# KiCad board flex.kicad_pcb (continued)
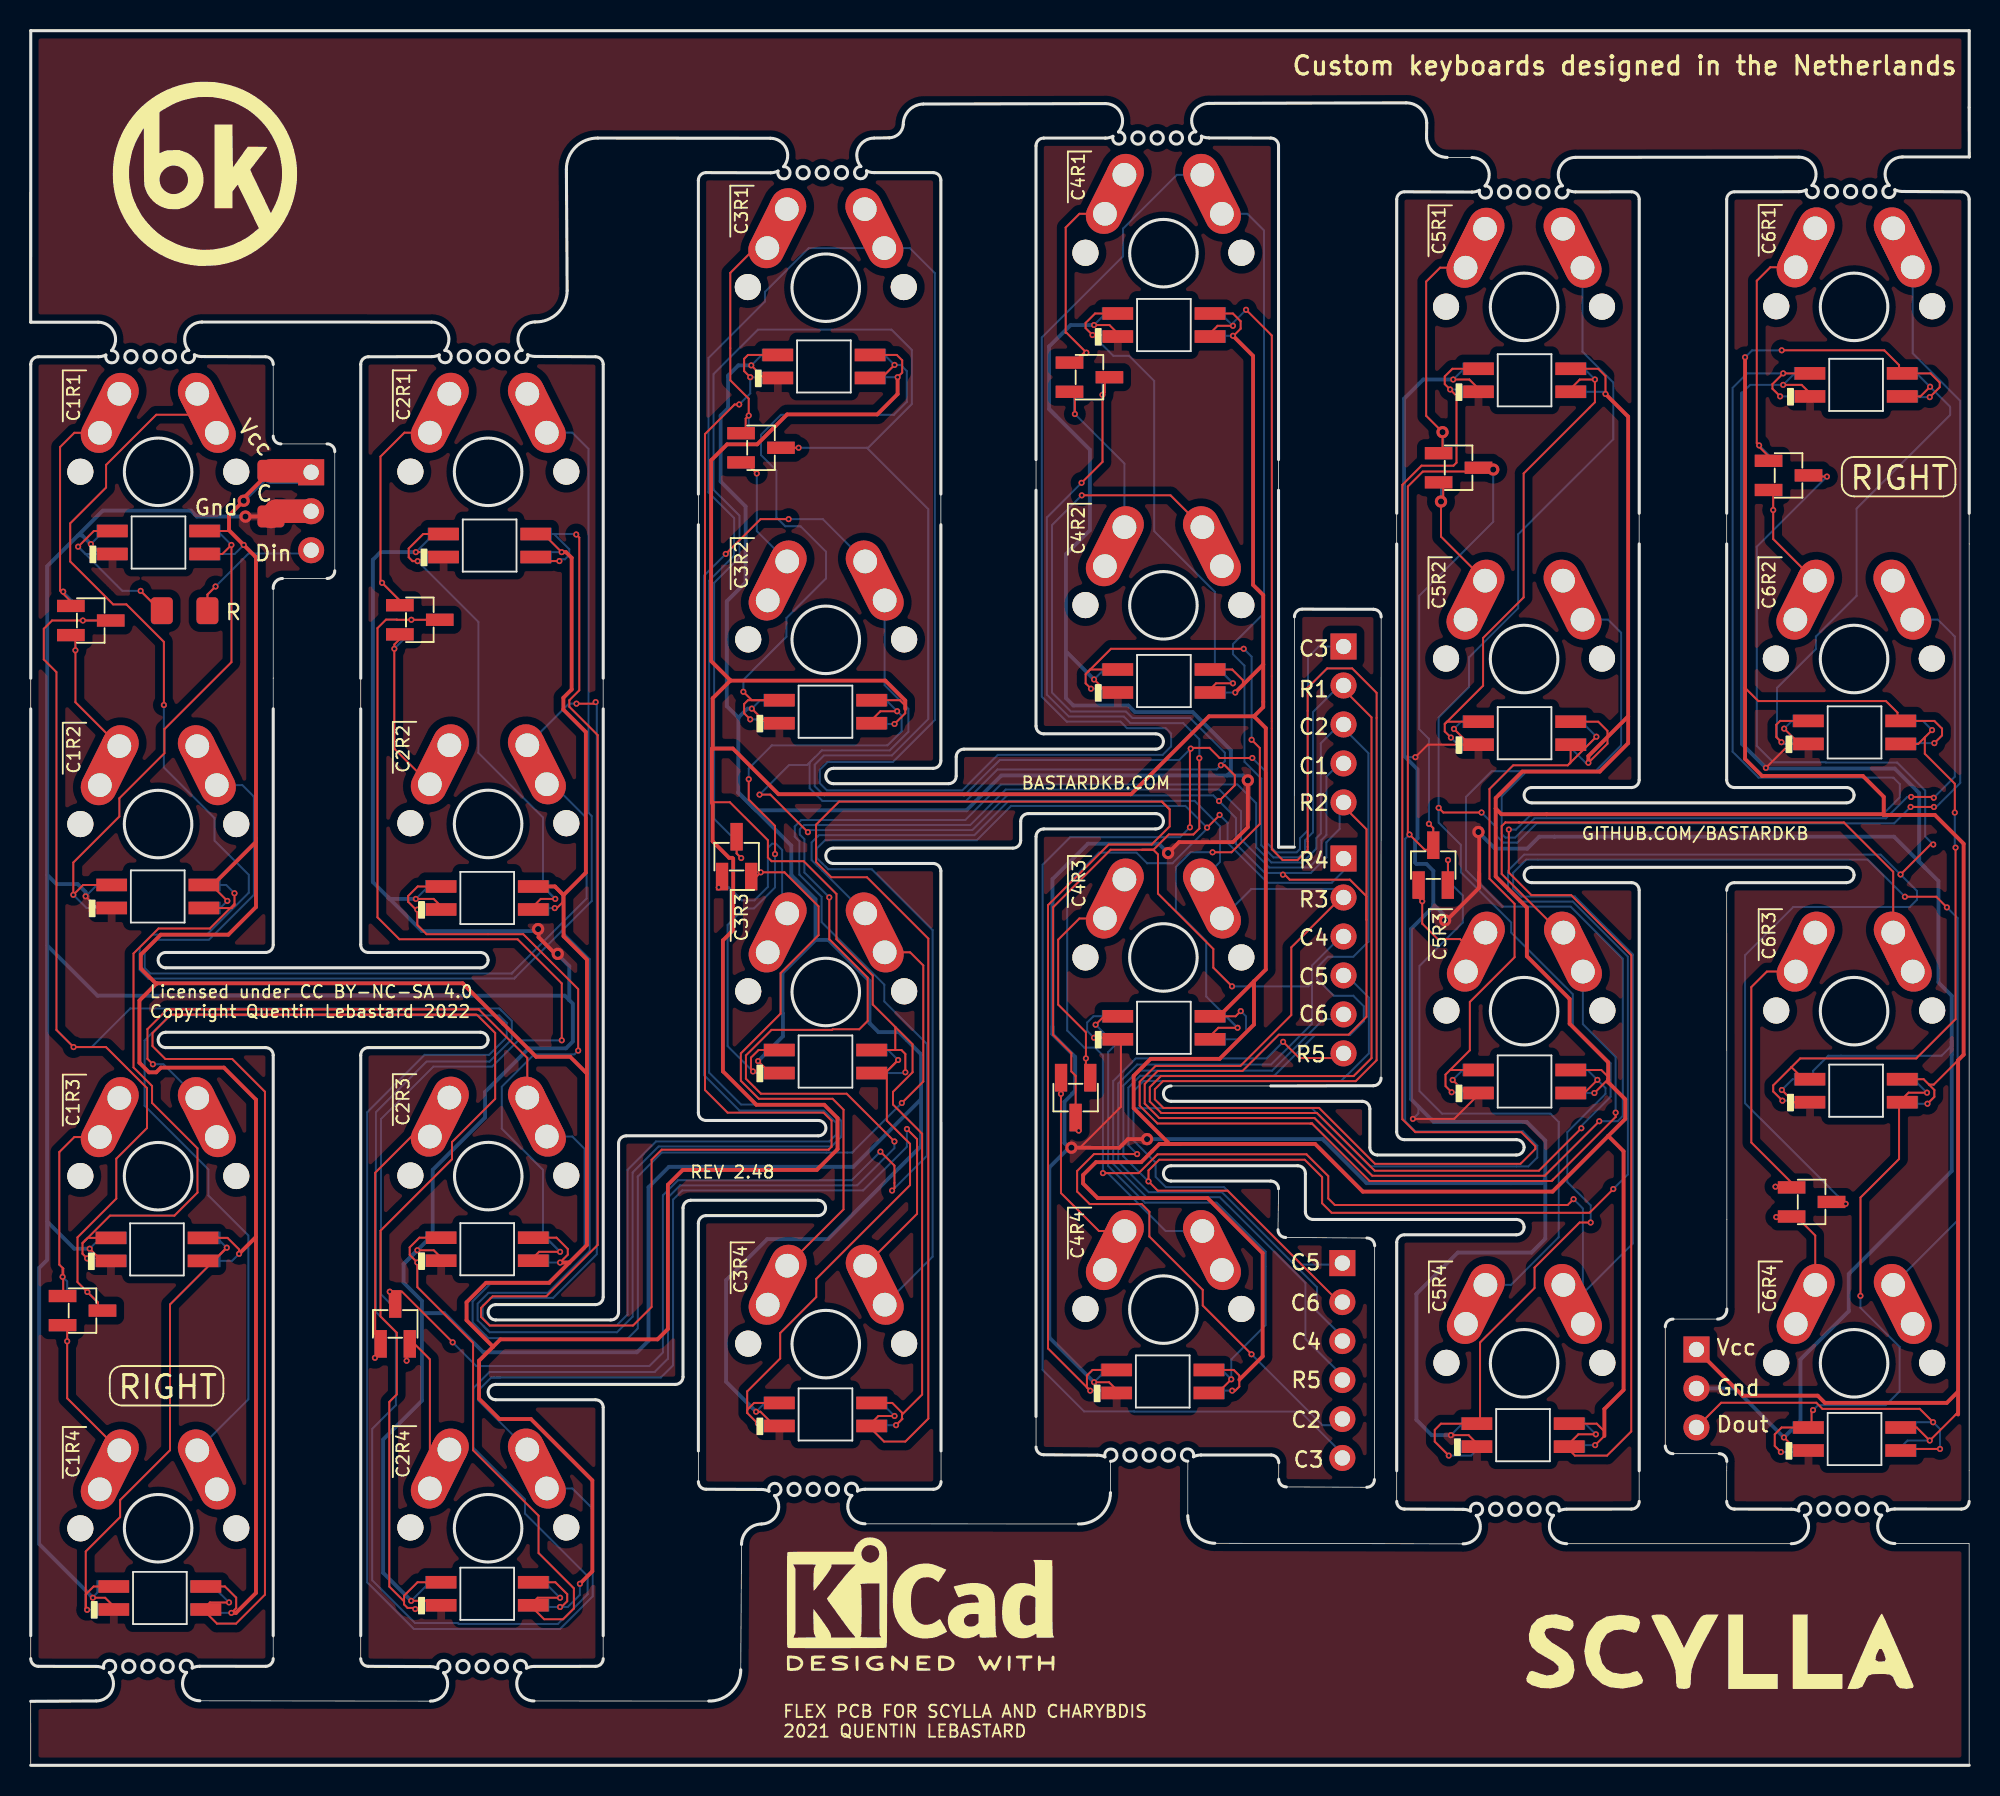
[diagram p0: board, top side]
## Routing (per net, layer and track width the routed paths; a pad name or vN(x,y) marks a point on that pad's centre or on a via; arc(x,y) is an arc through that point) (continued)
  Bottom w1.524: J3.2 16.01,81.73 C2.2
Vcc: length 926.6
  Top w0.13: v1(56.48,90.47) 56.78,90.77 56.78,91.57 56.43,91.92 54.48,91.92 ; v1(101.49,65.34) 102.73,66.58 102.73,67.42 102.13,68.02 100.13,68.02 ; v1(34.59,79.07) 33.41,80.25 32.7,80.25 ; v1(13.88,79.53) 12.97,80.44 11.13,80.44 ; 125.58,23.02 125.58,23.02 125.43,22.86 ; 32.54,57.28 34.07,57.28 34.66,56.69 34.66,56.24 34.28,55.87 v1(34.14,55.87) ; v1(123.58,43.12) 124.03,43.57 124.03,44.02 123.69,44.36 ; 76.63,94.62 78.33,94.62 78.83,94.12 78.83,93.63 78.37,93.17 v1(78.33,93.17) ; 54.58,46.62 56.33,46.62 ; 56.33,46.62 56.33,48.12 ; 56.33,46.62 56.73,46.62 56.99,46.36 v1(56.99,45.17) ; 121.63,22.02 122.88,22.02 v1(123.73,21.17) 125.43,22.86 ; v1(12.81,56.33) 11.77,57.37 11.08,57.37 ; 123.69,44.36 123.33,44.72 121.73,44.72 ; 123.69,44.36 123.99,44.36 125.58,45.95 ; 100.13,45.32 102.33,45.32 102.78,44.87 102.78,44.72 v1(101.88,43.82) ; v1(78.84,49.15) 78.5,48.82 76.63,48.82 ; v1(13.58,33.33) 13.58,33.62 12.83,34.37 11.03,34.37 ; 54.58,23.62 56.13,23.62 56.77,22.98 56.77,22.85 ; v1(34.49,10.32) 34.58,10.32 34.96,10.7 34.96,11.15 34.18,11.93 32.54,11.93 ; 54.58,69.42 56.63,69.42 56.98,69.07 56.98,68.57 v1(56.28,67.87) ; 11.22,11.65 12.66,11.65 13.39,10.92 13.39,10.25 v1(13.08,9.93) ; v1(78.48,69.92) 78.98,70.42 78.98,70.72 78.28,71.42 76.63,71.42 ; v1(101.93,20.87) 102.53,21.47 102.53,21.77 102.03,22.27 100.03,22.27 ; 56.33,48.12 54.86,49.59 54.86,51.47 52.5,53.84 52.5,56.79 50.36,58.92 48.27,58.92 48.03,59.16 48.03,60.29 45.56,62.77 44.43,62.77 ; 56.33,48.12 57.46,46.99 57.46,45.17 56.18,43.89 56.18,43.07 58.08,41.17 58.08,24.16 56.77,22.85 ; 100.13,91.02 102.13,91.02 102.61,90.54 v1(102.61,89.37) ; 125.43,22.86 125.58,22.86 ; v1(34.49,32.77) 34.49,32.78 34.99,33.28 34.99,33.65 34.26,34.39 32.54,34.39 ; 76.56,25.77 78.38,25.77 78.75,25.4 78.75,24.68 78.48,24.42 v1(78.28,24.42) ; v1(114.09,92.22) 120.77,92.22 121.73,91.26 121.73,90.72 123.78,90.72 124.38,90.12 124.38,89.82 v1(123.73,89.17) ; v1(56.38,22.17) 56.8,22.58 56.76,22.62 56.77,22.63 56.77,22.85 ; 111.7,70.22 112.56,69.36 120.88,69.36 121.63,68.61 121.63,68.07 124.03,68.07 124.53,67.57 124.53,67.12 v1(124.03,66.62)
  Top w0.25: 102.78,41.02 103.78,40.02 103.78,24.47 102.53,23.22 102.53,21.47 ; 102.78,41.02 99.16,37.39 86.79,37.39 83.69,40.5 74.91,40.5 ; 102.78,41.02 103.89,42.13 103.89,43.41 102.78,44.52 ; 125.58,24.36 124.84,23.62 116.9,23.62 116.43,24.09 111.54,24.09 J5.1 ; 125.58,24.36 125.58,45.95 125.94,46.31 125.94,60.06 124.07,61.93 120.73,61.93 ; 125.58,24.36 125.58,22.86 ; 79.7,51.1 80.47,51.87 80.47,67.6 79.71,68.37 ; 79.7,51.1 77.42,48.82 76.63,48.82 ; 79.7,51.1 79.7,48.28 77.47,46.04 72.97,46.04 71.86,44.94 71.86,42.83 74.2,40.5 74.91,40.5 ; 45.58,70.69 45.58,70.72 44.33,71.97 44.33,85.05 45.37,86.09 47.33,86.09 49.28,88.04 55.16,88.04 56.48,89.37 v1(56.48,90.47) ; 45.58,70.69 55.68,70.69 56.98,69.39 56.98,68.84 ; 45.58,70.69 44.43,69.54 44.43,66.22 ; v1(102.61,89.37) 104.08,87.9 104.08,68.37 ; 95.45,62.36 95.83,61.98 98.77,61.98 120.68,61.98 120.73,61.93 ; 95.45,62.36 95.45,63.04 97.18,64.77 102.23,64.77 104.08,66.62 104.08,68.37 ; 95.45,62.36 95.45,57.93 97.48,55.9 97.48,52.73 100.27,49.94 100.27,48.33 102.78,45.81 102.78,44.52 ; 30.12,27.28 29.21,26.37 29.21,23.89 30.54,22.57 32.59,22.57 36.59,18.57 36.59,12.64 v1(35.78,11.83) ; 30.12,27.28 30.6,27.76 40.84,27.76 41.52,28.43 41.52,37.83 42.49,38.8 51.22,38.8 52.57,40.15 52.57,42.18 51.7,43.05 47.28,43.05 45.1,45.23 45.1,53.76 45.77,54.43 45.77,59.08 45.71,59.14 45.51,59.14 44.43,60.22 44.43,62.77 ; 30.12,27.28 28.4,29.01 28.4,30.18 29.67,31.45 33.77,31.45 35.09,32.77 ; 74.51,40.5 73.54,40.5 72.35,39.31 69.41,39.31 68.57,38.47 68.57,37.91 69.52,36.97 76.68,36.97 80.27,33.38 80.27,26.65 78.75,25.13 ; 74.51,40.5 74.91,40.5 ; 74.51,40.5 73.86,40.5 ; 14.68,60.43 14.68,60.18 11.87,57.37 11.08,57.37 ; 14.68,60.43 14.68,55.93 12.88,54.13 8.48,54.13 7.18,52.83 7.18,51.93 8.18,50.93 ; 14.68,60.43 14.68,78.73 v1(13.88,79.53) 12.92,80.49 12.92,81.46 v2(13.88,82.42) 13.88,82.59 C1.1 ; 34.72,56.72 34.72,54.03 36.24,52.51 36.24,45.08 ; 34.72,56.72 34.16,57.28 32.54,57.28 ; 34.72,56.72 36.17,58.17 36.17,67.34 34.71,68.81 34.71,69.58 35.25,70.12 35.25,78.7 34.88,79.07 v1(34.59,79.07) ; v1(111.7,91.76) 111.7,65.58 112.8,64.48 119.37,64.48 120.73,63.12 120.73,61.93 ; 8.18,50.93 8.2,50.96 ; 8.18,50.93 7.09,49.84 7.09,45.79 7.71,45.16 8.18,45.16 8.49,45.47 12.59,45.47 14.68,43.38 14.68,34.43 ; 8.18,50.93 8.21,50.97 28.14,50.97 32.93,46.18 35.15,46.18 36.24,45.08 ; 36.24,45.08 36.24,33.92 35.09,32.77 ; v1(13.08,9.93) 13.38,9.93 14.68,11.23 14.68,34.43 ; 14.68,34.43 v1(13.58,33.33) ; 104.08,68.37 101.49,65.77 v1(101.49,65.34) ; 80.31,71.74 80.31,68.97 79.71,68.37 ; 80.31,71.74 80.31,76.27 79.64,76.93 79.64,91.85 v1(78.33,93.17) ; 80.31,71.74 v1(78.48,69.92) ; 44.38,62.72 44.38,66.27 45.75,66.27 48.72,63.29 71.7,63.29 76.77,68.37 79.71,68.37 ; 102.78,44.52 102.78,44.72 ; 35.09,32.77 v1(34.49,32.77)
  Top w1.524: C1.1 18.17,84.37 J3.1
  Bottom w0.13: 100.13,66.52 101.31,65.34 v1(101.49,65.34) ; 11.13,55.87 12.35,55.87 v1(12.81,56.33) ; v1(101.88,43.82) 100.13,43.82 ; v1(56.48,90.47) 54.53,90.47 ; v1(123.73,89.17) 121.78,89.17 ; v1(35.78,11.83) 35.78,11.11 34.99,10.32 v1(34.49,10.32) 32.65,10.32 ; 100.13,89.52 102.46,89.52 v1(102.61,89.37) ; v1(34.59,79.07) 33.02,79.07 32.7,78.75 ; 121.63,20.52 122.28,21.17 v1(123.73,21.17) ; 11.13,78.94 13.29,78.94 v1(13.88,79.53) ; v1(114.09,92.22) 112.16,92.22 v1(111.7,91.76) ; v1(56.28,67.87) 54.63,67.87 ; v1(78.48,69.92) 76.63,69.92 ; v1(34.14,55.87) 32.63,55.87 ; 76.63,47.32 78.73,47.32 79.18,47.77 79.18,48.81 v1(78.84,49.15) ; v1(101.93,20.87) 100.13,20.87 ; v1(34.49,32.77) 32.66,32.77 ; v1(123.58,43.12) 121.83,43.12 ; v1(124.03,66.62) 121.68,66.62 ; v1(78.33,93.17) 76.68,93.17 ; v1(13.58,33.33) 13.12,32.87 11.13,32.87 ; v1(13.08,9.93) 11.35,9.93 ; 54.58,45.12 56.94,45.12 v1(56.99,45.17) ; v1(78.28,24.42) 76.71,24.42 ; v1(56.38,22.17) 54.63,22.17
  Bottom w0.25: v2(13.88,82.42) 15.66,84.2 C2.1
  Bottom w1.524: C2.1 15.75,84.27 J3.1
col1: length 286
  Top w0.13: 4.38,29.63 4.38,30.16 3.05,31.49 3.05,34.4 5.58,36.93 5.58,39.53 7.58,41.53 7.58,44.14 4.91,46.81 v1(2.79,46.81) 1.68,47.93 1.68,71.25 0.85,72.07 0.85,74.07 1.39,74.61 4.91,74.61 ; v1(52.03,56.57) 52.03,53.83 54.53,51.33 54.53,48.52 53.99,47.97 52.25,47.97 52.21,47.93 48.27,47.93 46.6,46.26 46.6,44.75 47.58,43.77 53.16,43.77 v1(56.28,40.66)
  Bottom w0.13: v1(52.03,56.57) 50.41,58.19 50.41,60.37 50.11,60.66 50.11,61 50.39,61.28 61.21,61.28 63.53,63.59 77.44,63.59 78.86,62.18 78.86,60.35 80.7,58.51 83.29,58.51 84.09,59.31 84.09,60.3 84.42,60.63 84.42,64.43 85.28,65.3 ; v1(2.79,46.81) 3.97,46.81 6.49,49.33 30.53,49.33 30.65,49.21 ; 30.65,49.21 31.34,48.52 31.34,47.32 29.89,45.87 25.79,45.87 22.49,42.57 22.49,29.55 23.79,28.25 23.79,23.47 22.25,21.92 22.25,12.06 25.04,9.27 27.83,9.27 27.88,9.21 34.35,9.21 36.29,11.15 36.29,12.33 32.21,16.41 32.21,17.33 28.84,20.7 28.84,24.58 29.89,25.63 40.65,25.63 41.52,26.5 41.52,37.01 42.32,37.8 53.85,37.8 56.28,40.22 v1(56.28,40.66) ; 30.65,49.21 30.58,49.28 ; 4.91,74.61 v1(3.4,74.61) ; v1(3.69,30.85) 4.38,30.16 4.38,29.63
col2: length 273.8
  Top w0.13: v1(27.49,27.57) 24.19,30.87 v1(23.39,30.87) 23.39,30.12 23.75,29.77 ; v1(56.12,37.46) 56.28,37.61 56.28,39.08 v1(55.36,40) ; v1(79.54,26.79) 76.37,29.97 76.37,30.98 72.89,34.46 72.89,36.07 72.39,36.58 69,36.58 68.18,37.4 68.18,38.74 69.28,39.83 v1(72.09,39.83) ; 26.35,74.66 23.87,74.66 23.85,74.67 23.15,74.67 22.59,74.11 22.59,55.27 24.02,53.84 31.72,53.84 34.6,50.96 v1(34.6,47.25)
  Bottom w0.13: v1(23.39,30.87) 23.75,30.51 23.75,29.77 22.82,30.69 22.82,42.12 26.24,45.54 30.06,45.54 31.78,47.25 v1(34.6,47.25) ; 85.28,67.84 J2.3 ; 85.28,67.84 84.06,66.61 84.06,60.73 83.76,60.43 83.76,59.75 82.86,58.84 80.83,58.84 79.85,59.83 79.85,62.7 78.63,63.92 63.2,63.92 60.89,61.61 50.2,61.61 49.78,61.19 49.78,60.53 50.08,60.23 50.08,58.05 51.53,56.6 51.53,54.96 55.62,50.88 55.62,49.78 58.4,47 58.4,39.73 v1(56.12,37.46) ; 85.28,67.84 87.16,65.96 87.16,53.68 86.18,52.7 84.52,52.7 83.81,51.99 83.81,51.24 84.9,50.16 86.17,50.16 86.86,49.47 86.86,48.49 85.97,47.6 83.68,47.6 81.02,44.94 72.29,44.94 71.52,44.17 71.52,40.4 v1(72.09,39.83) ; v1(55.36,40) 53.5,38.13 42.18,38.13 41.19,37.14 41.19,26.91 40.3,26.02 29.04,26.02 v1(27.49,27.57) ; 26.35,74.66 v1(24.8,74.66) ; 85.84,22.47 85.54,22.17 84.17,22.17 v1(79.54,26.79)
col3: length 218.7
  Top w0.13: v1(79.59,65.65) 77.46,65.65 76.8,66.31 75.63,66.31 v1(75.58,66.26) 75.53,66.21 v1(75.53,61.13) ; 48.58,85.87 v1(50.03,85.87) ; v1(46.29,59.13) 46,59.43 46,60.22
  Bottom w0.13: 48.58,85.87 v1(50.03,85.87) 54.48,85.87 ; 54.48,85.87 54.56,85.87 57.41,88.72 57.41,92.24 56.08,93.57 47.38,93.57 44.49,90.67 44.49,83.13 46.18,81.44 46.18,78.72 44.53,77.07 44.53,61.68 46,60.22 46,59.43 v1(46.29,59.13) ; 54.48,85.87 58.48,81.87 58.48,68.19 56.11,65.82 51.68,65.82 51.08,65.22 51.08,63.82 51.69,63.21 60.83,63.21 63.15,65.52 74.84,65.52 v1(75.58,66.26) ; 85.84,19.93 82.72,23.05 71.9,23.05 71.88,23.07 68.63,23.07 65.93,25.77 65.93,58.69 67.72,60.49 74.89,60.49 v1(75.53,61.13) ; 85.28,72.92 83.92,72.92 83.22,72.21 83.22,60.94 82.7,60.42 82.7,59.72 82.48,59.5 81.15,59.5 80.55,60.1 80.55,64.69 v1(79.59,65.65)
col4: length 131.7
  Top w0.13: 72.41,59.67 73.14,59.67 73.45,59.36 73.45,56.81 77.05,53.2 77.05,51.99 v1(78.27,50.77) ; 72.41,59.67 73.16,59.67 74.15,60.66 75.75,60.66 76.14,61.05 v1(76.14,65.64) ; 72.41,59.67 70.36,59.67 66.61,55.92 66.61,47.61 67.8,46.42 67.8,45.22 68.08,44.94 68.08,41.57 v1(68.28,41.37) ; 69.98,90.47 69.98,89.47 v1(69.83,89.32) 69.83,84.95 v1(68.47,83.58)
  Bottom w0.13: 83.48,50.99 83.25,50.77 v1(78.27,50.77) ; 83.48,50.99 83.48,48.33 80.82,45.67 72.09,45.67 70.86,44.44 70.86,39.34 72.85,37.35 77.62,37.35 83.81,31.16 83.81,29.58 85.84,27.55 ; 83.48,50.99 83.48,52.12 85.22,53.87 85.23,53.87 ; v1(68.47,83.58) 66.21,81.32 66.21,69.78 67.64,68.35 71.22,68.35 71.65,67.92 75.09,67.92 76.14,66.87 v1(76.14,65.64) ; 69.98,90.47 69.83,90.32 v1(69.83,89.32) ; v1(68.28,41.37) 68.28,42.32
col5: length 160.7
  Top w0.13: v1(91.1,61.36) 91.38,61.08 91.38,59.67 90.83,59.67 v1(89.84,60.66) 89.73,60.77 89.73,83.34 90.7,84.32 93.79,84.32 94.03,84.57 94.15,84.45 v2(95.29,84.45)
  Bottom w0.13: 71.85,42.82 71.85,40.73 73.3,39.29 73.3,38.35 73.96,37.68 77.75,37.68 82.8,32.63 85.84,32.63 ; 71.85,42.82 71.85,43.94 72.52,44.6 85.39,44.6 85.75,44.97 85.76,44.97 87.19,46.4 87.19,50.03 86.05,51.17 ; 71.85,42.82 83.48,42.82 87.27,39.03 97.58,39.03 98.16,39.62 98.16,40.38 97.22,41.32 90.21,41.32 89.55,41.98 89.55,60.38 v1(89.84,60.66) ; 91.38,59.67 91.38,61.08 v1(91.1,61.36) 91.1,66.89 90.47,67.53 90.47,76.22 95.29,81.04 v2(95.29,84.45) 95.17,84.57 94.03,84.57
col6: length 204.1
  Top w0.13: v1(118.25,36.59) 117.16,36.59 ; v1(103.11,37.56) 101.57,36.01 84.76,36.01 84.14,36.63 84.14,38.33 83.01,39.47 73.53,39.47 72.83,38.77 v1(72.83,38.06) 73.44,37.45 77.99,37.45 85.25,30.19 J1.2 ; v1(123.96,60.01) 123.78,60.01 v1(121.83,58.06) ; v1(117.03,83.99) 115.61,83.99
  Bottom w0.13: v1(72.83,38.06) 71.19,39.69 71.19,44.3 72.16,45.27 80.88,45.27 84.25,48.63 86.05,48.63 ; v1(103.11,37.56) 104.06,38.51 104.06,52.71 100.48,56.29 96.98,56.29 96.26,57.01 96.26,58.3 97.3,59.35 120.54,59.35 v1(121.83,58.06) 122.9,56.99 122.9,56.41 122.43,55.94 114.84,55.94 111.7,52.8 111.7,43.15 v1(118.25,36.59) 118.13,36.72 117.03,36.72 ; 115.53,84.07 116.7,84.07 116.78,83.99 v1(117.03,83.99) 112.46,79.42 112.46,66.44 113.53,65.37 116.95,65.37 116.97,65.35 121.61,65.35 123.44,63.52 123.44,60.54 v1(123.96,60.01)
Din: length 10.6
  Top w0.13: R2.1 11.52,76.3 v1(12.04,76.83)
  Bottom w0.13: R1.1 11.51,76.29 v1(12.04,76.83) 14.19,78.98 18.02,78.98 18.07,79.03
Dout: length 23.7
  Top w0.13: v1(124.4,20.62) 121.74,20.62 ; J5.3 110.14,23.63 116.34,23.63 116.74,23.23 123.08,23.23 v1(123.95,22.36)
  Bottom w0.13: v1(124.4,20.62) 124.4,21.91 v1(123.95,22.36) 121.98,22.36 121.63,22.02
row1: length 655.7
  Top w0.13: 10.95,88.02 8.18,88.02 4.91,84.75 4.91,83.28 2.58,80.94 2.58,78.46 5.37,75.66 6.23,75.66 8.68,73.22 v1(8.68,69.1) ; v1(91.74,62.4) 92.04,62.09 v1(94.53,62.09) ; v1(101.03,41.52) 98.26,38.75 87.57,38.75 83.81,42.51 73.67,42.51 72.91,43.26 72.91,44.2 73.64,44.92 86.19,44.92 87.36,46.09 87.36,68.3 85.28,70.38 ; v1(122.49,62.46) v1(124,62.46)
  Top w2.35: SW19.1 SW19.1 ; SW23.1 SW23.1
  Bottom w0.13: 34.59,54.37 36.42,52.54 36.42,33.53 33.69,30.8 29.83,30.8 29.12,30.09 29.12,29.01 29.53,28.6 ; 34.59,54.37 36.55,56.32 36.55,61.87 36.34,62.07 36.34,85.8 35.29,86.85 SW5.1 ; 34.59,54.37 31.58,51.36 ; 31.58,51.36 31.5,51.28 7.67,51.28 7.66,51.27 7.1,51.84 7.1,53.31 7.92,54.13 11.47,54.13 14.21,56.87 14.21,58.03 11.98,60.27 11.98,61.73 8.68,65.03 v1(8.68,69.1) ; 31.58,51.36 31.53,51.3 ; v1(122.49,62.46) 121.42,61.39 98.12,61.39 96.86,60.13 95.95,60.13 95.51,60.57 95.51,61.11 v1(94.53,62.09) ; SW19.1 101.11,92.13 103.11,90.12 103.11,86.43 96.92,80.23 96.92,75.41 93.72,72.21 93.72,70.27 91.74,68.29 91.74,61.43 93.18,59.99 93.18,58.21 96.46,54.93 96.46,54.27 100.47,50.26 100.47,48.23 102.94,45.76 102.94,43.57 101.03,41.66 v1(101.03,41.52) ; SW14.1 74.68,103.66 71.17,100.15 71.17,98.35 65.88,93.06 65.88,69.64 67.5,68.02 71,68.02 71.43,67.59 73.96,67.59 74.3,67.25 74.3,66.4 73.75,65.85 63.01,65.85 60.7,63.54 51.88,63.54 51.41,64 51.41,64.88 51.92,65.39 56.17,65.39 58.91,68.13 58.91,97.24 57.28,98.88 SW9.1 50.69,98.88 47.84,96.03 47.84,95.4 44.16,91.72 44.16,82.96 45.83,81.29 45.83,78.84 44.2,77.21 44.2,45.15 46.28,43.07 51.75,43.07 52.81,42 52.81,40.97 52.17,40.33 40.91,40.33 39.22,38.64 39.22,29.24 38.2,28.22 29.9,28.22 29.53,28.6 ; SW23.1 122.62,92.03 125.72,88.93 125.72,64.03 124.15,62.46 v1(124,62.46) ; 29.8,28.33 29.53,28.6 ; 85.28,70.38 83.55,68.64 83.55,60.8 83.03,60.28 83.03,59.58 82.62,59.17 80.97,59.17 80.18,59.96 80.18,64.3 79.08,65.4 79.08,71.67 78.33,72.42 78.33,73.07 80.36,75.09 80.36,100.03 79.27,101.12 SW14.1
  Bottom w2.35: SW19.1 SW19.1 ; SW23.1 SW23.1
row2: length 513.7
  Top w0.13: v1(68.48,82.77) 74.27,82.77 SW15.1 ; v1(77.55,65.18) 77.8,65.18 78.45,64.52 78.45,63.87 v1(77.42,62.84) ; v1(47.49,63.26) 48.19,63.26 v1(50.64,60.81) ; 87.03,55.1 87.03,61.01 85.28,62.76 ; 87.03,55.1 87.03,56.64 85.95,57.72 82.03,57.72 81.59,58.16 v1(81.59,58.05) ; 87.03,55.1 87.03,48.78 85.87,47.62 81.32,47.62 78.95,45.25 73.43,45.25 72.58,44.41 72.58,43.13 73.53,42.18 83.65,42.18 87.41,38.42 98.64,38.42 v1(102.2,41.98) ; v1(49.38,81.22) 47.55,81.22 v1(45.29,78.95) ; v1(122.52,63.11) 123.94,63.11 v1(123.99,63.06) ; v1(35.56,69.19) 36.71,69.19 v1(36.81,69.29)
  Bottom w0.13: 31.43,51.71 36.22,56.49 36.22,61.73 34.01,63.94 SW6.1 ; 31.43,51.71 31.37,51.64 31.37,51.61 ; 31.43,51.71 31.33,51.61 7.79,51.61 7.43,51.97 7.43,53.17 8.06,53.8 11.61,53.8 14.54,56.73 14.54,63.13 13.79,63.88 SW2.1 ; 31.43,51.71 31.36,51.63 ; v1(45.29,78.95) 43.87,77.53 43.87,44.98 46.18,42.67 51.68,42.67 52.48,41.87 52.48,41.11 52.04,40.66 40.74,40.66 38.89,38.81 38.89,29.38 38.17,28.66 29.93,28.66 29.45,29.14 ; 85.28,62.76 85.28,61.02 84.42,60.16 84.42,59.17 83.41,58.16 81.34,58.16 ; 101.03,64.79 95.19,64.79 93.51,63.11 93.51,58.34 95.9,55.96 100.34,55.96 103.73,52.57 103.73,42.31 103.4,41.98 v1(102.2,41.98) ; 101.03,64.79 97.48,64.79 95.84,63.15 95.84,60.7 96.08,60.46 96.72,60.46 97.98,61.72 120.88,61.72 122.28,63.11 v1(122.52,63.11) ; 101.03,64.79 101.95,64.79 103.62,66.46 103.62,73.81 102.77,74.67 SW20.1 ; v1(36.81,69.29) 36.88,69.22 36.88,33.3 34.04,30.47 29.97,30.47 29.45,29.95 29.45,29.14 ; v1(49.38,81.22) 51.61,81.22 SW10.1 ; SW6.1 35.07,69.19 v1(35.56,69.19) ; v1(68.48,82.77) 66.54,80.82 66.54,69.92 67.78,68.68 71.36,68.68 71.79,68.25 75.55,68.25 77.81,65.99 77.81,65.44 v1(77.55,65.18) 77.27,64.9 62.99,64.9 60.94,62.85 51.58,62.85 50.75,63.68 50.75,65.35 ; 50.69,60.88 50.64,60.82 ; 50.64,60.82 50.69,60.88 ; 50.64,60.82 v1(50.64,60.81) 50.77,60.95 61.35,60.95 63.61,63.21 77.05,63.21 v1(77.42,62.84) 78.53,61.74 78.53,60.04 80.41,58.16 81.34,58.16 ; v1(123.99,63.06) 125.36,64.43 125.36,73.56 124.26,74.67 SW24.1 ; 81.34,58.16 81.48,58.16 v1(81.59,58.05) ; SW10.1 55.64,70.4 57.19,68.85 57.19,67.36 55.97,66.15 51.55,66.15 50.75,65.35 ; v1(47.49,63.26) 49.42,65.19 50.59,65.19 50.75,65.35 ; 29.45,29.14 29.91,28.69
row3: length 262.8
  Top w0.13: 83.39,41.83 73.42,41.83 72.25,42.99 72.25,44.54 73.29,45.58 78.82,45.58 82.13,48.9 82.13,53.31 85.23,56.41 ; 83.39,41.83 83.49,41.83 87.23,38.08 99.09,38.08 99.18,38.17 ; 83.39,41.83 83.51,41.83 ; 29.23,49.23 32.36,46.1 SW7.1 ; SW25.1 121.35,58.23 118.14,61.45 96.08,61.45 95.84,61.21 95.84,58.09 99.66,54.27 SW21.1 ; 99.11,38.09 99.18,38.17 ; 99.18,38.17 103.27,42.25 v1(103.27,42.54) ; 8.85,49.22 7.6,47.98 7.6,46.04 v1(7.96,45.69) ; v1(56.76,43.17) 58.16,44.56 58.16,52.13 57.3,52.98 SW11.1
  Top w0.15: 29.23,49.23 29.19,49.27 8.9,49.27 8.82,49.19
  Bottom w0.13: SW21.1 101.13,48.3 103.27,46.17 v1(103.27,42.54) ; 86.05,56.25 85.18,57.12 79.54,57.12 SW16.1 ; SW11.1 51.59,58.31 51.25,58.63 50.88,59 50.88,60.15 51.28,60.55 ; 51.28,60.55 51.29,60.55 ; 51.28,60.55 51.36,60.62 61.49,60.62 63.72,62.86 75.83,62.86 77.49,61.2 77.49,58.88 SW16.1 ; SW7.1 35.29,40.98 36.09,40.18 36.09,33.67 33.79,31.37 29.93,31.37 28.79,30.22 28.79,28.87 29.82,27.84 38.92,27.84 39.55,28.47 39.55,38.37 41.12,39.94 53.53,39.94 v1(56.76,43.17) ; SW3.1 8.65,45.69 v1(7.96,45.69)
row4: length 431.2
  Top w0.13: v1(100.52,36.9) 100.14,36.52 84.97,36.52 84.54,36.94 84.54,38.4 83.12,39.82 73.41,39.82 72.19,38.6 v1(69.86,38.6) ; v1(124.85,55.91) 124.15,56.61 v1(122.11,56.61) ; SW12.1 57.75,35.94 57.75,40.81 v1(57.09,41.47) ; v1(77.46,61.94) 77.46,61.92 v1(76.65,61.11)
  Bottom w0.13: SW4.1 14.18,23.85 14.18,34.53 11.58,37.13 11.58,38.83 7.42,42.99 7.42,47.24 9.05,48.87 30.52,48.87 31.01,48.38 31.01,47.45 29.86,46.3 25.66,46.3 21.92,42.56 21.92,11.92 24.96,8.88 34.49,8.88 36.62,11.01 36.62,16.71 35.29,18.04 SW8.1 ; SW17.1 73.95,34.82 70.18,38.6 v1(69.86,38.6) 69.86,46.26 69.35,46.77 68.65,46.77 67.53,47.89 67.53,57.42 69.6,59.48 72.05,59.48 72.74,58.79 74.39,58.79 76.65,61.05 v1(76.65,61.11) 75.23,62.53 63.88,62.53 61.64,60.29 51.76,60.29 51.21,59.75 51.21,59.14 51.58,58.77 51.82,58.54 51.96,58.4 54.8,58.4 58.76,54.44 58.76,33.14 SW12.1 ; v1(100.52,36.9) 101.13,36.29 SW22.1 ; v1(122.11,56.61) 119.7,59.02 97.44,59.02 96.59,58.17 96.59,57.15 97.12,56.62 100.61,56.62 104.39,52.84 104.39,34.01 100.47,30.09 ; v1(124.85,55.91) 125.55,55.21 125.55,35.51 SW26.1 ; 30.6,25.27 30.05,25.27 ; 30.6,25.27 30,25.27 29.17,24.45 29.17,23.77 SW8.1 ; 30.6,25.27 41.06,25.27 41.85,26.07 41.85,36.87 42.45,37.47 54.24,37.47 57.09,40.32 v1(57.09,41.47) ; v1(77.46,61.94) 77.99,61.42 77.99,60.12 80.58,57.52 84.77,57.52 86.05,58.79
row5: length 45.7
  Top w0.13: v1(81.6,47.15) 82.66,46.09 86.05,46.09
  Bottom w0.13: 85.84,25.01 83.05,27.8 83.05,31.45 77.48,37.02 72.71,37.02 70.53,39.2 70.53,44.6 72,46.07 80.52,46.07 v1(81.6,47.15)
Net-(D1-Pad1): length 10.6
  Top w0.13: 2.38,28.68 2.38,23.92 SW4.2
  Bottom w0.13: 2.38,28.68 v1(2.38,27.63)
Net-(D1-Pad2): length 14.2
  Top w0.13: SW3.2 2.84,40.95 1.86,39.97 1.86,32.63 2.12,32.38 ; v1(2.08,31.83) 2.08,32.33 2.12,32.38 ; 2.12,32.38 2.12,30.84
  Bottom w0.13: v1(2.08,31.83) 2.38,31.53 2.38,30.58
Net-(D2-Pad1): length 37.7
  Top w0.13: 5.48,57.37 3.42,57.37 v1(2.78,56.73) 2.78,58.84 5.78,61.84 5.78,63.02 8.71,65.96 8.71,67.53 13.08,71.89 v1(13.08,79.53) 12.49,78.94 11.13,78.94
  Bottom w0.13: v1(2.78,56.73) 3.64,55.87 5.53,55.87 ; 11.13,80.44 12.17,80.44 v1(13.08,79.53)
Net-(D2-Pad3): length 14.6
  Top w0.13: v1(3.09,79.42) 4.11,80.44 5.53,80.44 ; v1(7.16,76.54) 8.45,75.25 R2.2
  Bottom w0.13: 5.53,78.94 3.57,78.94 v1(3.09,79.42) 5.97,76.54 v1(7.16,76.54) 8.47,75.23 R1.2
Net-(D5-Pad1): length 40.1
  Top w0.13: v1(34.49,10.92) 33.03,10.92 32.54,10.43 33.45,9.52 34.69,9.52 35.39,10.22 35.39,11.53 33.09,13.83 33.09,16.27 28.82,20.53 28.82,27.54 25.19,31.17 v1(25.19,32.77) 24.69,33.27 24.69,33.75 25.32,34.39 26.94,34.39
  Bottom w0.13: v1(25.19,32.77) 26.82,32.77 ; 32.54,11.93 33.48,11.93 v1(34.49,10.92)
Net-(D9-Pad1): length 8.6
  Top w0.13: 46.58,84.92 v1(47.31,84.19)
  Bottom w0.13: 46.58,84.92 v1(47.31,84.19) 47.31,80.44 SW10.2
Net-(D9-Pad2): length 15.3
  Top w0.13: 46.58,86.82 46.58,87.77 v1(46.78,87.97) 46.78,89.07 45.58,90.27 45.58,97.27 47.2,98.88 SW9.2
  Bottom w0.13: 46.58,86.82 46.78,87.02 v1(46.78,87.97)
Net-(D10-Pad1): length 38.7
  Top w0.13: SW12.2 52.96,36.23 52.96,42.73 52.25,43.44 47.44,43.44 46.27,44.61 46.27,46.4 48.86,48.99 48.86,51.63 51.33,54.1 51.33,55.98 49.11,58.2 v1(47.57,58.2) 47.29,57.92 D10.1
  Bottom w0.13: 46.95,58.22 47.55,58.22 v1(47.57,58.2)
Net-(D10-Pad2): length 13.5
  Top w0.13: 44.83,58.01 v1(44.83,57.22)
  Bottom w0.13: 44.83,58.01 v1(44.83,57.22) 45.5,57.22 46.35,56.37 47.15,56.37 48.03,57.25 48.03,59.79 48.3,60.06 48.56,60.06 48.96,59.66 48.96,55.85 SW11.2
Net-(D11-Pad1): length 11.7
  Top w0.13: 67.98,89.52 68.03,89.47 v1(68.03,88.07)
  Bottom w0.13: SW15.2 71.26,84.84 v1(68.03,88.07) 67.98,88.12 67.98,89.52
Net-(D11-Pad2): length 13.8
  Top w0.13: 67.98,91.42 68.63,92.07 v1(68.78,92.07) 67.48,93.37 67.43,93.37 67.43,100.22 68.33,101.12 SW14.2
  Bottom w0.13: v1(68.78,92.07) 68.13,91.42 67.98,91.42
Net-(D12-Pad1): length 13.1
  Top w0.13: 67.13,44.52 67.13,43.77 v1(67.13,43.76) 67.13,37.29 69.6,34.82 SW17.2
  Bottom w0.13: v1(67.13,43.76) 67.13,43.77 67.13,44.52
Net-(D12-Pad2): length 14.7
  Top w0.13: SW16.2 68.33,55.19 66.94,53.81 66.94,49.58 68.75,47.77 v1(68.75,46.07) 68.75,44.8
  Bottom w0.13: v1(68.75,46.07) 68.75,44.8
Net-(D13-Pad1): length 9.4
  Top w0.13: SW2.2 2.91,69.28 2.91,73.66
  Bottom w0.13: 2.91,73.66 v1(2.91,72.67)
Net-(D13-Pad2): length 15
  Top w0.13: SW1.2 2.84,86.84 1.91,85.92 1.91,76.56 2.91,75.56
  Bottom w0.13: v1(2.12,76.49) 2.91,75.7 2.91,75.56
Net-(D14-Pad1): length 8.8
  Top w0.13: SW20.2 91.89,80.08 v2(91.89,82.36) 92.03,82.51 92.03,83.62
  Bottom w0.13: v2(91.89,82.36) 91.89,83.47
Net-(D14-Pad2): length 21.6
  Top w0.13: 91.99,85.56 v2(91.99,86.89) 90.92,87.95 90.92,96.7 91.83,97.6 SW19.2
  Top w2.35: SW19.2 SW19.2
  Bottom w0.13: 92.03,85.52 92.03,86.84 v2(91.99,86.89)
  Bottom w2.35: SW19.2 SW19.2
Net-(D15-Pad1): length 41.4
  Top w0.13: v1(92.34,59) 92.34,57.68 92.33,57.67
  Bottom w0.13: SW22.2 96.45,31.31 99.56,34.42 99.56,41.93 99.02,42.47 91.95,42.47 90.48,43.94 90.48,52.1 93.31,54.93 93.31,56.69 92.33,57.67 92.33,58.98 v1(92.34,59)
Net-(D15-Pad2): length 9.5
  Top w0.13: 90.43,57.67 90.43,56.55 v1(90.67,56.31) 90.67,54.86 91.67,53.85 93.13,53.85 93.51,53.47 SW21.2
  Bottom w0.13: 90.43,57.67 90.43,56.55 v1(90.67,56.31)
Net-(D16-Pad1): length 8.3
  Top w0.13: SW24.2 113.53,79.92 113.53,83.12
  Bottom w0.13: 113.53,83.12 v1(113.53,81.81)
Net-(D16-Pad2): length 22.1
  Top w0.13: 113.53,85.02 112.62,85.93 v1(112.62,86.02) 112.46,86.17 112.46,96.75 113.34,97.63 SW23.2
  Top w2.35: SW23.2 SW23.2
  Bottom w0.13: 113.53,85.02 113.53,85.1 v1(112.62,86.02)
  Bottom w2.35: SW23.2 SW23.2
Net-(D17-Pad1): length 7.6
  Top w0.13: SW26.2 116.27,34.53 115.03,35.77 113.77,35.77 v1(113.73,35.73)
  Bottom w0.13: v1(113.73,35.73) 115,35.73
Net-(D17-Pad2): length 20.3
  Top w0.13: v1(113.68,37.71) 114.99,37.71 115.03,37.67 112.11,40.59 112.11,50.72 113.12,51.73 SW25.2
  Bottom w0.13: v1(113.68,37.71) 113.73,37.67 115.03,37.67
Net-(D18-Pad1): length 122
  Top w0.13: 24.33,10.68 24.33,10.48 24.56,10.25 25.02,10.25 25.06,10.21 v1(25.06,10.18) ; 24.33,10.68 24.33,11.05 25.2,11.93 26.94,11.93 ; 24.33,10.68 23.37,11.64 23.37,23.69 23.85,24.17 23.85,28.19 22.79,29.25 22.79,34.84 27.45,39.5 27.45,40.62 30.26,43.44 30.26,47.73 29.1,48.9 ; 9.1,48.89 7.93,47.73 7.93,46.87 8.77,46.03 13.13,46.03 15.26,43.9 15.26,11.12 13.38,9.23 12.14,9.23 11.22,10.15 11.68,10.61 v1(12.92,10.61)
  Top w0.15: 9.07,48.86 9.13,48.92 29.03,48.92
  Bottom w0.13: v1(12.92,10.61) 11.88,11.65 11.13,11.65 ; v1(25.06,10.18) 26.7,10.18
Net-(D18-Pad3): length 36.5
  Top w0.13: 11.03,32.87 11.92,32.87 v1(12.78,33.73) 9.08,30.03 9.08,20.53 5.83,17.28 5.83,16.17 3.59,13.93 3.59,10.22 ; 3.59,10.22 v1(3.68,10.13) ; 3.59,10.22 3.59,11.14 4.1,11.65 5.62,11.65
  Bottom w0.13: v1(12.78,33.73) 12.14,34.37 11.13,34.37 ; v1(3.68,10.13) 5.51,10.13
Net-(D19-Pad1): length 47.7
  Top w0.13: v1(46.43,69.97) 46.98,69.42 48.98,69.42 46.73,69.42 46.48,69.17 46.48,68.57 v1(46.88,68.17) ; 54.48,90.42 55.43,90.42 v1(56.28,91.27)
  Bottom w0.13: 48.98,67.92 48.73,68.17 v1(46.88,68.17) ; v1(46.43,69.97) 46.43,70.74 49.24,73.55 49.24,74.77 51.82,77.36 51.82,79.09 50.16,80.75 49.16,80.75 48.58,81.33 48.58,84.39 47.58,85.39 47.58,86.72 48.88,88.02 56.24,88.02 57.08,88.86 57.08,90.87 56.68,91.27 v1(56.28,91.27) 55.63,91.92 54.48,91.92
Net-(D19-Pad3): length 164
  Top w0.13: v1(46.88,90.47) 46.48,90.87 46.48,91.67 46.73,91.92 48.88,91.92 ; v1(35.54,80.22) 35.74,80.02 35.74,70.06 35.1,69.41 35.1,68.99 36.94,67.14 36.94,33.92 33.59,30.57 30.1,30.57 29.34,29.81 29.34,29.22 29.9,28.66 39.24,28.66 40.46,29.87 40.46,39.46 41.12,40.12 51.99,40.12 52.18,40.31 52.18,42.02 51.66,42.54 45.41,42.54 43.93,44.01 43.93,86.76 45.86,88.69 v1(46.16,88.69) ; 32.7,78.75 32.97,78.48 v1(34.45,78.48)
  Bottom w0.13: 48.83,90.47 v1(46.88,90.47) 46.88,89.41 v1(46.16,88.69) ; v1(34.45,78.48) 34.56,78.6 34.82,78.6 35.09,78.88 35.09,79.25 34.1,80.25 32.7,80.25 35.51,80.25 v1(35.54,80.22)
Net-(D21-Pad1): length 44.7
  Top w0.13: 48.98,46.62 47.42,46.62 46.93,46.12 46.93,45.36 v1(47.06,45.22) ; v1(48.5,59.39) 48.5,61.23 46.78,62.94 v1(46.78,64.27) ; v1(56.45,68.7) 55.36,68.7 54.58,67.92
  Bottom w0.13: v1(46.78,64.27) 46.78,64.97 48.29,66.48 55.83,66.48 56.75,67.39 56.75,68.4 v1(56.45,68.7) 55.73,69.42 54.58,69.42 ; 48.98,45.12 47.17,45.12 v1(47.06,45.22) 45.41,46.88 45.41,54.77 46.48,55.84 47.13,55.84 48.5,57.21 v1(48.5,59.39)
Net-(D23-Pad1): length 38.2
  Top w0.13: 46.68,22.97 47.36,22.29 v1(47.38,22.29) ; 46.68,22.97 46.68,23.17 47.13,23.62 48.98,23.62 ; 46.68,22.97 46.68,24.37 48.83,26.52 48.83,28.17 51.18,30.52 51.18,31.7 57.29,37.81 57.29,40.5 55.78,42.02 55.78,45.23 v1(56.52,45.97) 55.67,45.12 54.58,45.12
  Bottom w0.13: 54.58,46.62 55.87,46.62 v1(56.52,45.97) ; 48.98,22.12 47.55,22.12 v1(47.38,22.29)
Net-(D25-Pad1): length 125.7
  Top w0.13: 70.96,25.77 69.18,25.77 68.82,25.4 68.82,24.63 v1(69.03,24.42) 66.28,27.16 66.28,56.06 70.24,60.01 73.03,60.01 74.21,61.19 74.21,62.3 ; 73.7,62.81 52.67,62.81 51.17,61.31 51.17,58.87 52.16,57.88 54.48,57.88 58.49,53.88 58.49,22.6 56.99,21.1 55.6,21.1 54.58,22.12 55.23,22.77 v1(56.28,22.77) ; 73.7,62.81 74.21,62.3 ; 73.7,62.81 74.21,62.3
  Bottom w0.13: 54.58,23.62 55.43,23.62 v1(56.28,22.77) ; v1(69.03,24.42) 70.81,24.42
Net-(D28-Pad1): length 44.5
  Top w0.13: 5.43,34.37 3.72,34.37 3.38,34.03 ; v1(3.68,33.03) 3.38,33.33 3.38,34.03 ; 3.38,34.03 5.17,35.83 9.37,35.83 10.86,37.32 10.86,40.21 7.91,43.17 7.91,44.28 6.7,45.49 6.7,52.91 8.33,54.53 11.68,54.53 13.28,56.13 ; 11.08,55.87 13.1,55.87 13.28,56.05 13.28,56.13 ; 13.28,56.13 v1(13.28,56.83)
  Bottom w0.13: v1(3.68,33.03) 5.37,33.03 ; 11.13,57.37 12.74,57.37 v1(13.28,56.83)
Net-(D31-Pad1): length 12.2
  Top w0.13: 24.35,73.71 23.69,73.05 v1(23.69,72.77) 23.69,66.26 SW6.2
  Bottom w0.13: 24.35,73.71 24.35,73.43 v1(23.69,72.77)
Net-(D31-Pad2): length 16.3
  Top w0.13: 24.35,75.61 v1(22.89,77.07) 22.79,77.17 22.79,85.3 24.35,86.85 SW5.2
  Bottom w0.13: 24.35,75.61 v1(22.89,77.07)
Net-(D32-Pad1): length 12.9
  Top w0.13: SW8.2 26.01,26.46 24.7,27.77 24.49,27.56 v1(24.49,26.37)
  Bottom w0.13: v1(24.49,26.37) 24.49,27.56
Net-(D32-Pad2): length 18.3
  Top w0.13: SW7.2 24.8,40.98 22.44,38.62 22.44,28.12 22.8,27.77 22.8,26.93 v1(22.43,26.56)
  Bottom w0.13: 22.8,27.77 22.8,26.93 v1(22.43,26.56)
Net-(D33-Pad1): length 35.7
  Top w0.13: v1(34.18,56.47) 33.23,56.47 32.54,55.78 ; v1(25.21,78.48) 24.88,78.48 24.63,78.73 24.63,79.3 25.57,80.25 27.1,80.25
  Bottom w0.13: 27.1,78.75 26.83,78.48 v1(25.21,78.48) 29.17,74.52 29.17,65.98 33.38,61.77 33.38,57.27 v1(34.18,56.47) 33.37,57.28 32.54,57.28
Net-(D33-Pad3): length 45.6
  Top w0.13: v1(35.67,46.58) 35.67,50.59 32.09,54.17 25.79,54.17 25.19,54.77 v1(25.19,55.77) 25.1,55.77 24.59,56.28 24.59,56.65 25.21,57.28 26.94,57.28 ; v1(34.49,33.47) 33.12,33.47 32.54,32.89
  Bottom w0.13: v1(25.19,55.77) 26.93,55.77 ; 32.54,34.39 33.57,34.39 v1(34.49,33.47) 33.38,34.58 33.38,38.81 30.69,41.5 30.69,44.22 32.8,46.33 35.43,46.33 v1(35.67,46.58)
Net-(D37-Pad1): length 38.3
  Top w0.13: 76.56,24.27 77.33,24.27 v1(78.22,25.16) ; 71.03,48.82 69.93,48.82 v1(69.38,48.27)
  Bottom w0.13: v1(69.38,48.27) 70.33,47.32 71.03,47.32 70.2,46.48 70.2,39.06 72.59,36.67 77.26,36.67 80.46,33.47 80.46,28.69 78.22,26.45 v1(78.22,25.16) 77.61,25.77 76.56,25.77
Net-(D39-Pad1): length 51.8
  Top w0.13: 71.03,71.42 69.03,71.42 68.88,71.27 ; v1(79.55,66.84) 80.08,66.3 80.08,61.35 78.24,59.5 v1(77,59.5) ; 68.88,71.27 68.73,71.12 68.73,70.52 v1(69.08,70.17) ; 68.88,71.27 70.38,72.77 v1(79.03,72.77) ; 76.78,47.47 76.63,47.32 77.38,48.07 v1(78.63,48.07)
  Bottom w0.13: v1(69.08,70.17) 70.78,70.17 71.03,69.92 ; v1(77,59.5) 75.57,59.5 74.62,58.55 74.62,55.69 76.59,53.72 76.59,50.11 v1(78.63,48.07) 77.88,48.82 76.63,48.82 ; v1(79.03,72.77) 79.55,72.25 v1(79.55,66.84)
Net-(D41-Pad1): length 36.4
  Top w0.13: v1(69.18,93.22) 68.73,93.67 68.73,94 69.34,94.62 71.03,94.62 ; v1(78.33,70.52) 77.23,70.52 76.63,69.92
  Bottom w0.13: 76.63,71.42 77.43,71.42 v1(78.33,70.52) 77.16,71.69 77.16,76.48 73.2,80.43 73.2,90.22 71.56,91.86 70.54,91.86 v1(69.18,93.22) 70.93,93.22
Net-(D43-Pad1): length 192.7
  Top w0.13: v1(78.33,93.82) 77.33,93.82 76.63,93.12 ; 94.53,91.02 92.63,91.02 92.13,90.52 92.13,90.02 v1(92.48,89.67) 92.9,89.25 92.9,84.9 92.7,84.7 90.62,84.7 89.37,83.45 89.37,42.11 90.21,41.27 97.12,41.27 98.03,40.35 98.03,40.17 97.07,39.2 87.59,39.2 83.95,42.84 73.8,42.84 73.24,43.4 73.24,44.06 73.77,44.59 86.33,44.59 87.69,45.95 87.69,69.9 86.1,71.49 84.47,71.49 83.2,70.22 83.2,59.66 82.54,59 81.57,59 80.86,59.7 80.86,93.18 v1(79.19,94.86)
  Bottom w0.13: v1(92.48,89.67) 94.38,89.67 ; 76.63,94.62 77.53,94.62 v1(78.33,93.82) 78.33,94.01 v1(79.19,94.86)
Net-(D45-Pad1): length 36.4
  Top w0.13: 100.13,89.52 100.93,90.32 v1(101.92,90.32) 101.92,88.84 97.27,84.19 97.27,76.12 94.63,73.47 94.63,70.36 92.13,67.87 ; 92.13,67.87 92.28,68.02 94.53,68.02 ; 92.13,67.87 92.13,67.38 v1(92.53,66.98)
  Bottom w0.13: v1(101.92,90.32) 101.22,91.02 100.13,91.02 ; 94.53,66.52 93,66.52 v1(92.53,66.98)
Net-(D47-Pad1): length 38.4
  Top w0.13: 100.25,65.27 v1(102.01,67.04) ; 100.25,65.27 100.33,65.36 D47.1 ; 100.25,65.27 100.14,65.17 96.59,65.17 95.04,63.63 95.04,57.78 96.68,56.15 96.68,52.67 93.77,49.75 93.77,46.6 92.48,45.32 ; 92.48,45.32 92.18,45.02 92.18,44.27 v1(92.58,43.87) ; 92.48,45.32 94.53,45.32
  Bottom w0.13: v1(102.01,67.04) 101.03,68.02 100.13,68.02 ; v1(92.58,43.87) 94.48,43.87
Net-(D49-Pad1): length 39.7
  Top w0.13: 100.13,43.82 101.23,43.82 v1(102.08,44.67) ; v1(101.64,35.37) 100.92,35.37 97.98,32.44 97.98,31.11 94.43,27.56 94.43,22.27 91.89,22.27 91.48,21.86 91.48,21.1 v1(92.4,20.18)
  Bottom w0.13: v1(101.64,35.37) 101.64,36.49 100.12,38.02 100.12,41.27 102.61,43.76 102.61,44.14 v1(102.08,44.67) 101.43,45.32 100.13,45.32 ; v1(92.4,20.18) 93.85,20.18 94.43,20.77
Net-(D51-Pad1): length 126.2
  Top w0.13: v1(101.98,21.57) 100.84,21.57 100.03,20.77 100.61,20.18 102.71,20.18 104.28,21.76 104.28,52.8 100.37,56.71 97.78,56.71 96.31,58.18 v1(96.31,60.98) ; 116.13,90.72 v1(114.18,90.72) 113.48,90.02 113.48,89.72 v1(113.98,89.22)
  Bottom w0.13: v1(101.98,21.57) 101.28,22.27 100.03,22.27 ; v1(113.98,89.22) 116.13,89.22 ; v1(96.31,60.98) 96.78,60.98 97.84,62.05 120.75,62.05 121.78,63.09 121.78,63.95 121.37,64.37 112.58,64.37 110.89,66.06 110.89,89.77 111.83,90.72 v1(114.18,90.72)
